# Altium PCB 2-quilter-output.PcbDoc (part 1 of 26)
Units mil, origin at the board's own origin, x right, y up, seen from the top; angles counter-clockwise.
Board outline 4130.55 x 4250 mil, 8 copper layers (L1, Ground L2, L3, Power L4, Ground L5, L6, Ground L7, L8), stack 62.985 mil thick; 591 components, 494 nets, 2245 pads, 1508 vias.
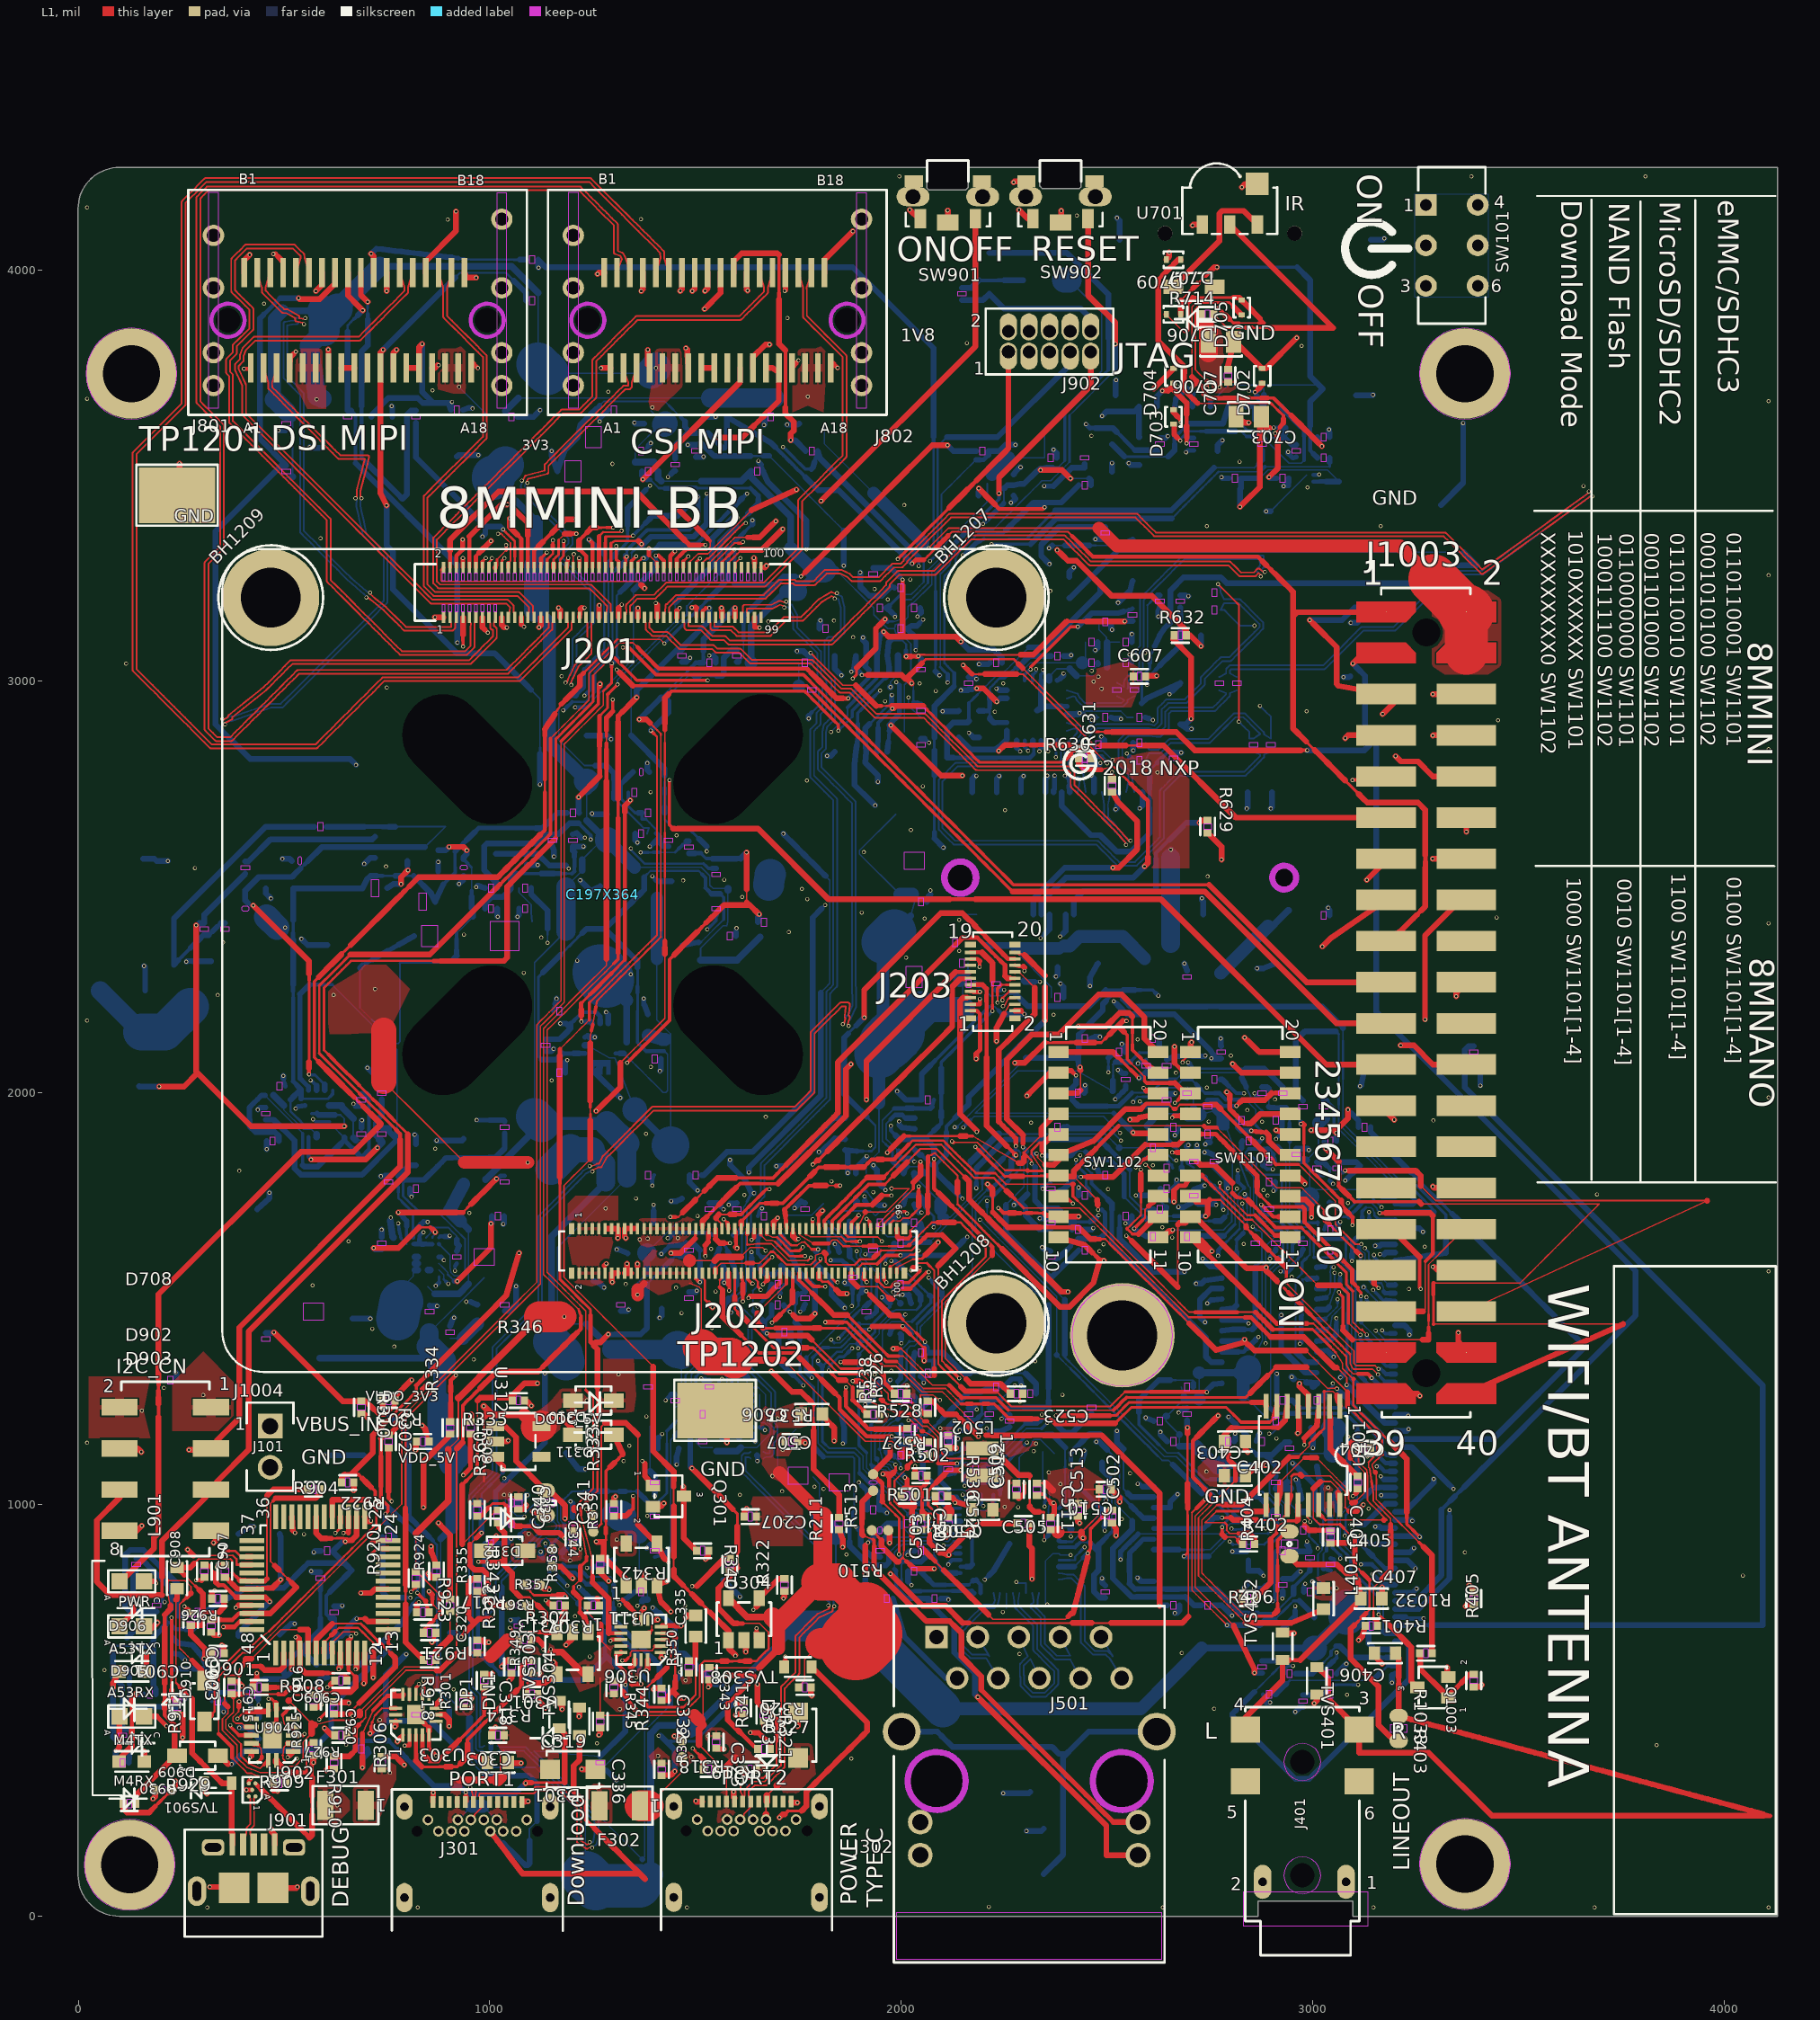
[diagram p0: L1 view]
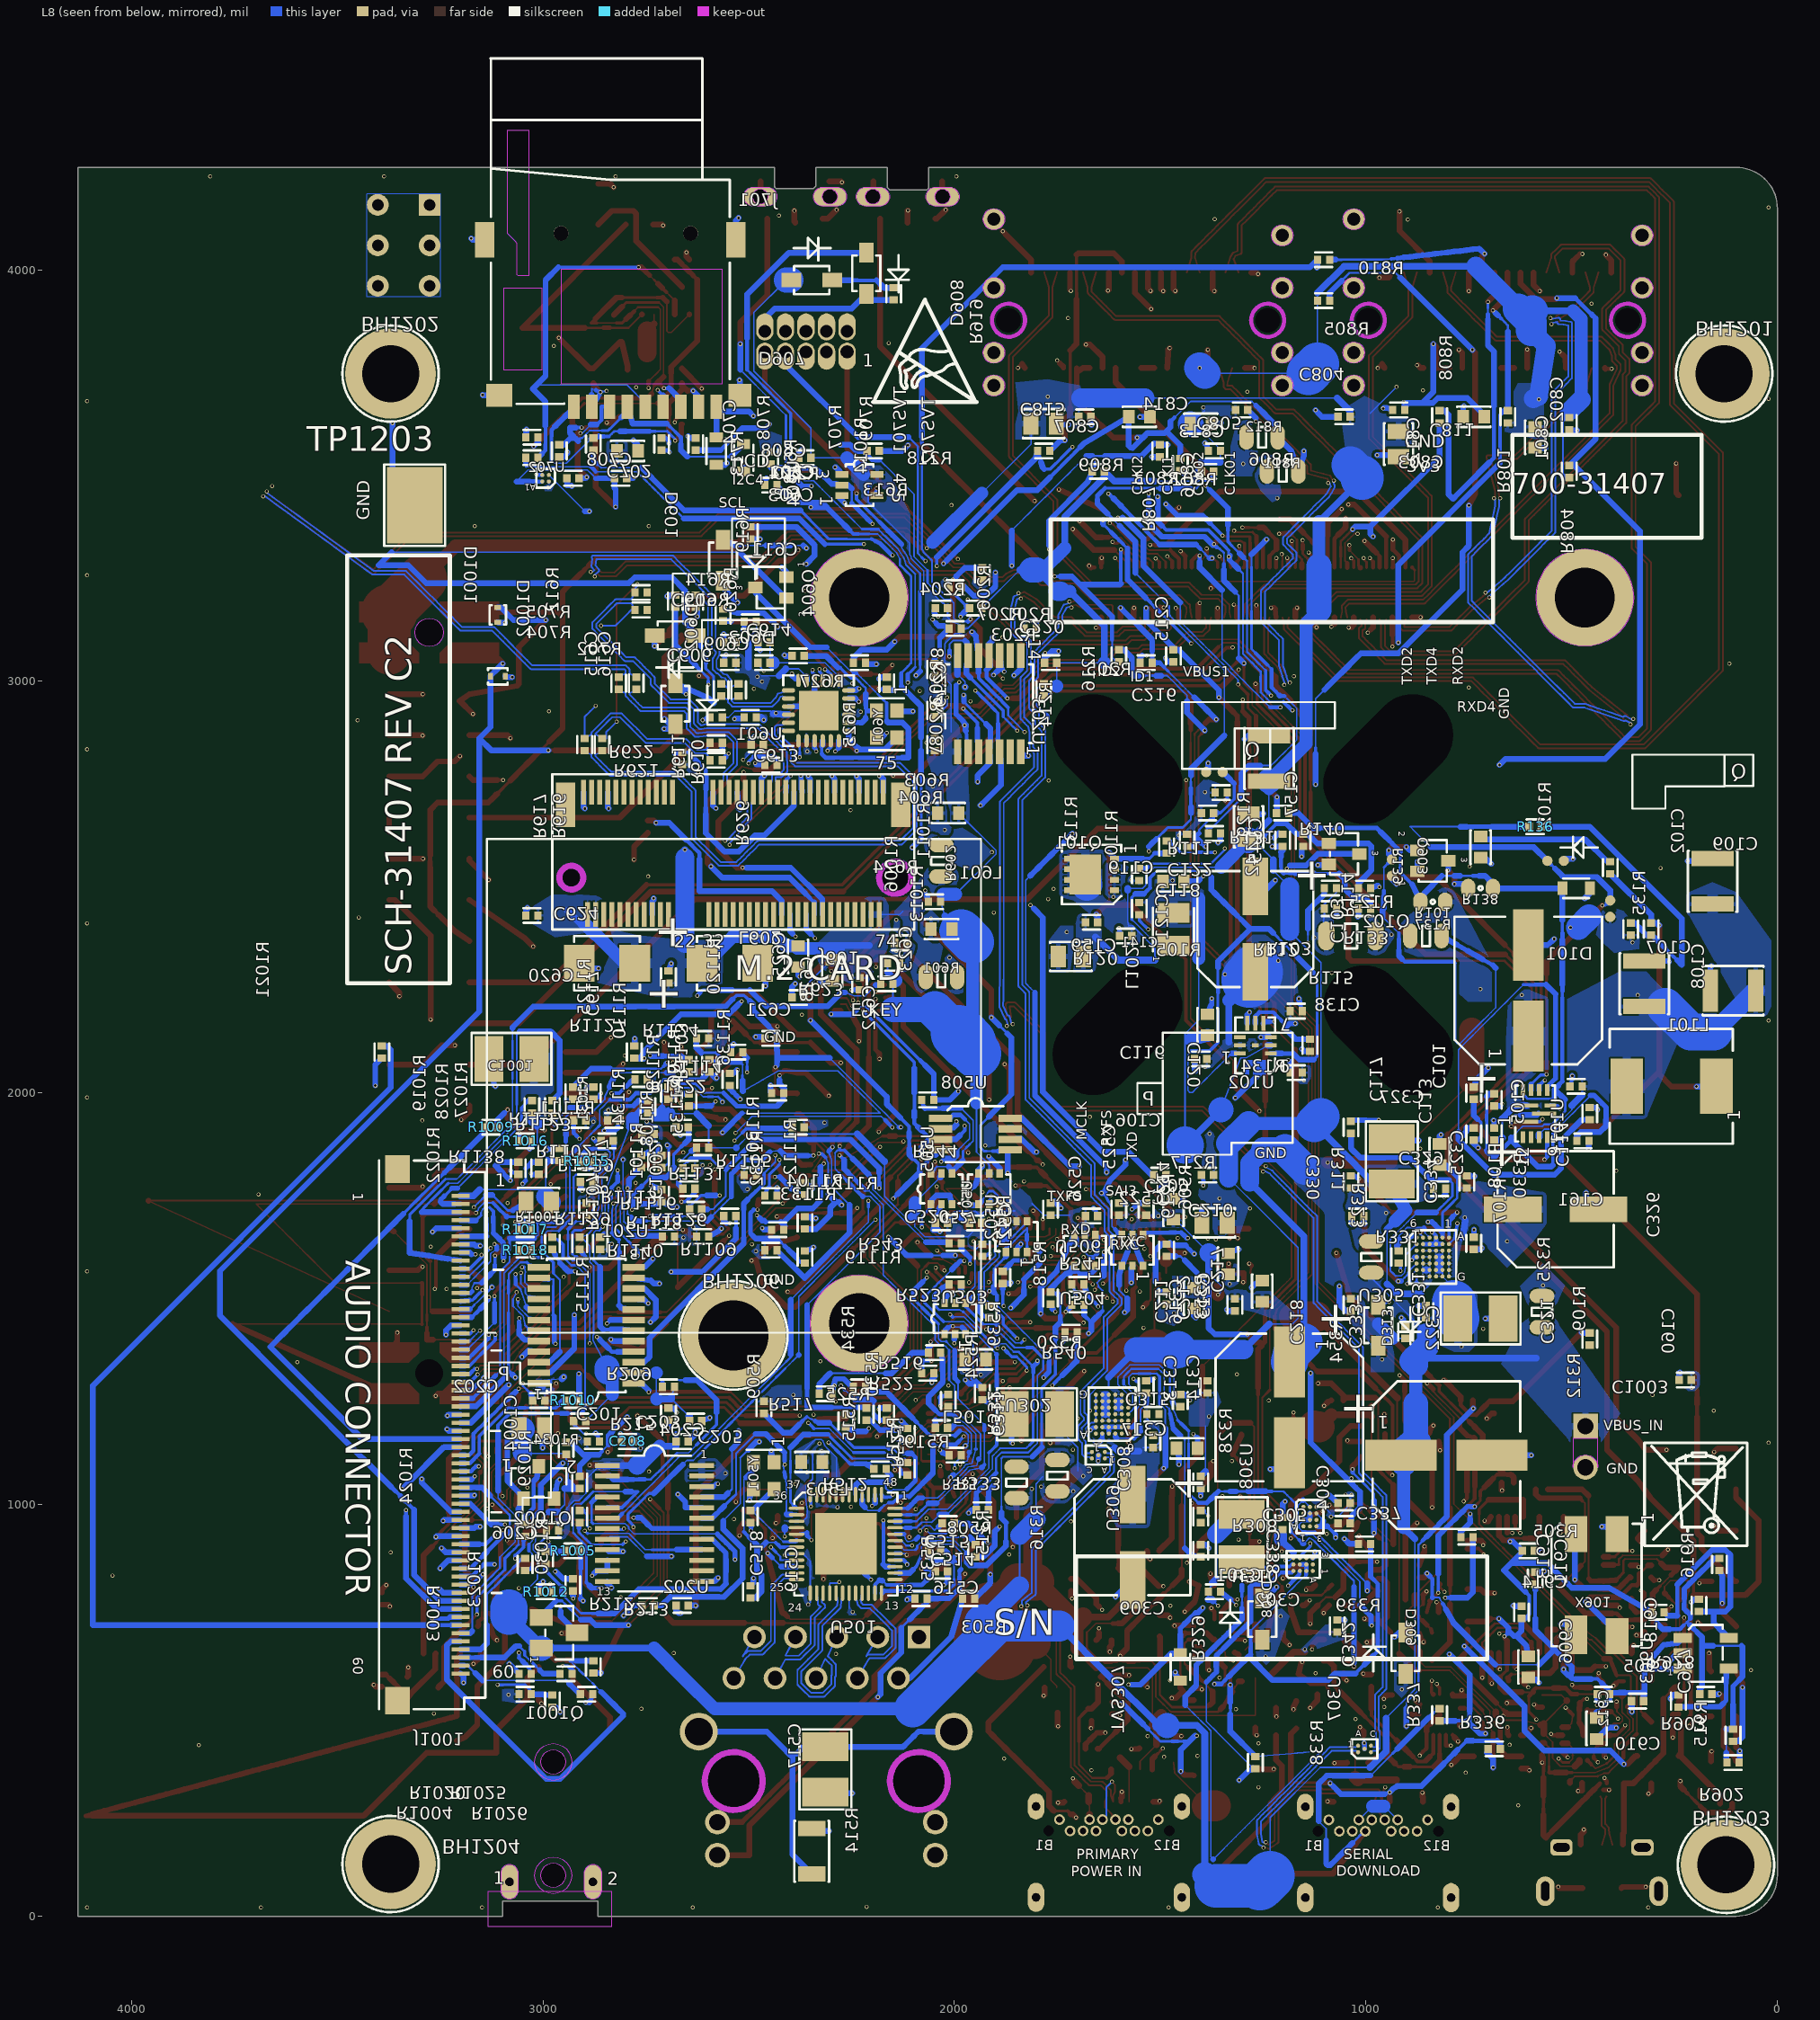
[diagram p1: L8 view, seen from below]
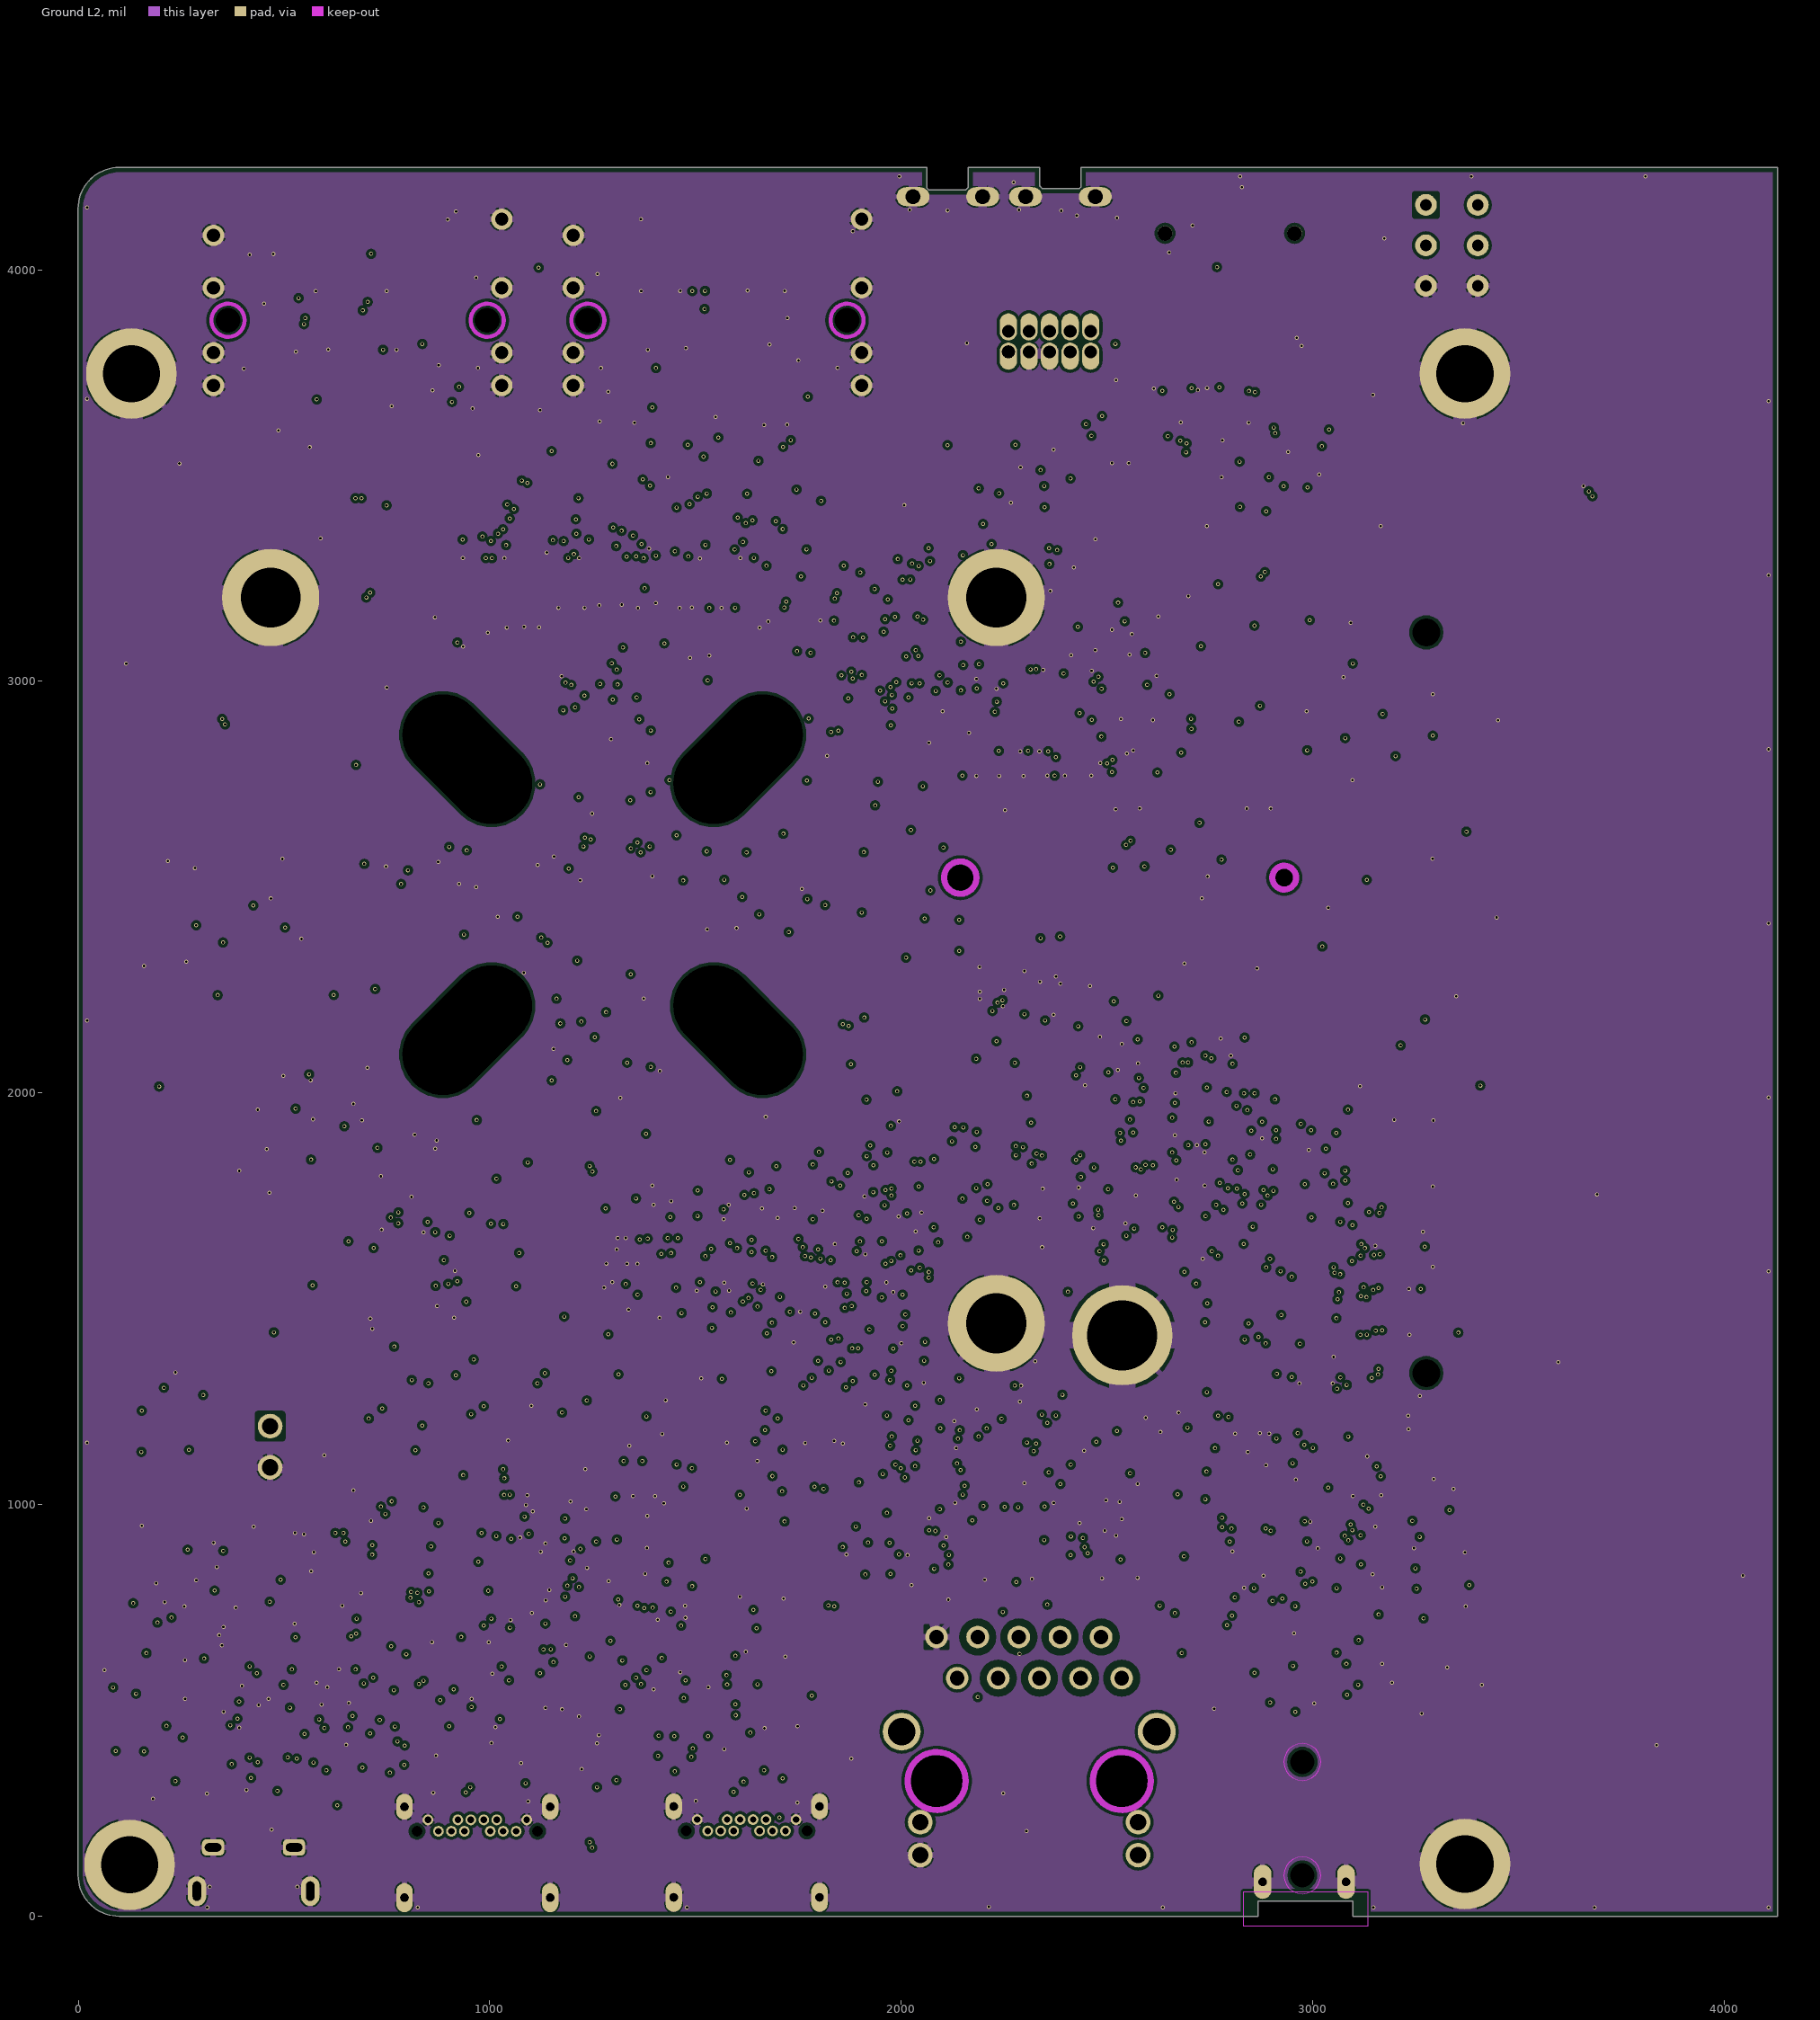
[diagram p2: Ground L2]
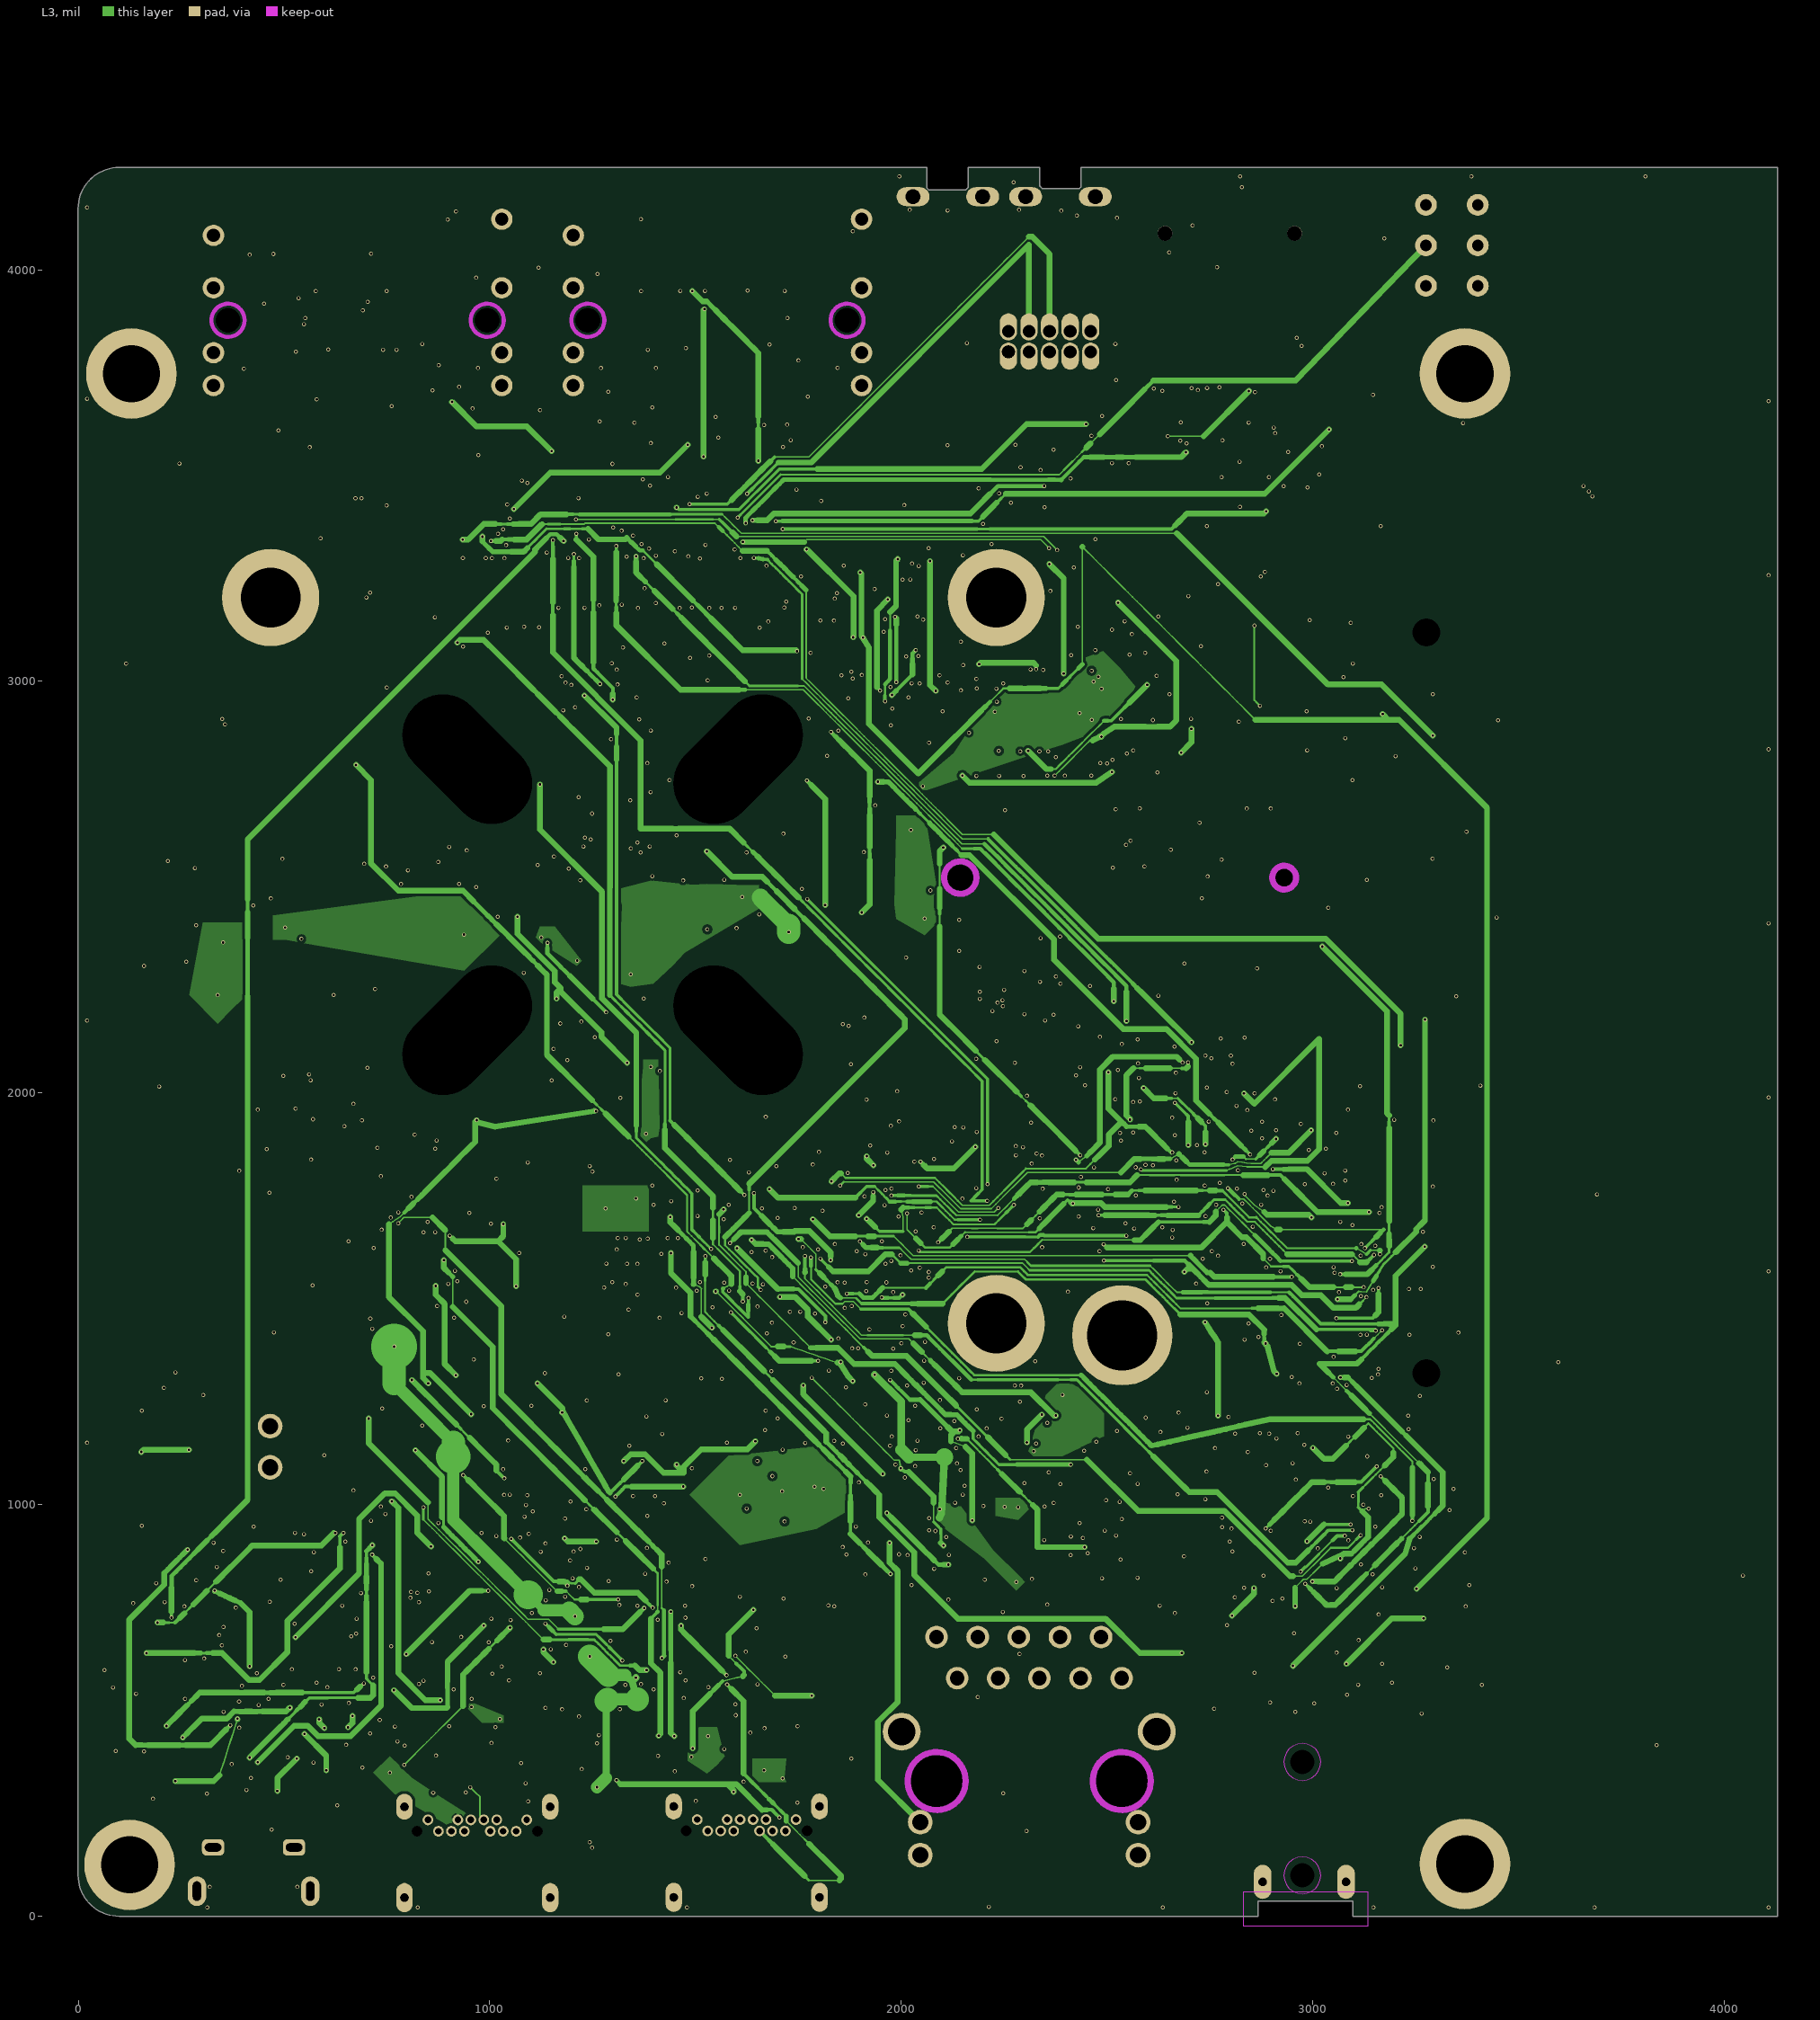
[diagram p3: L3]